# Altium PCB My_SOMA_25042022.PcbDoc (part 3 of 4)
Units mil, origin at the board's own origin, x right, y up, seen from the top; angles counter-clockwise.
Board outline 4842.73 x 3622.06 mil, 4 copper layers (Top Layer, Int1 (GND), Int2 (PWR), Bottom Layer), stack 53.912 mil thick; 293 components, 207 nets, 941 pads, 468 vias.
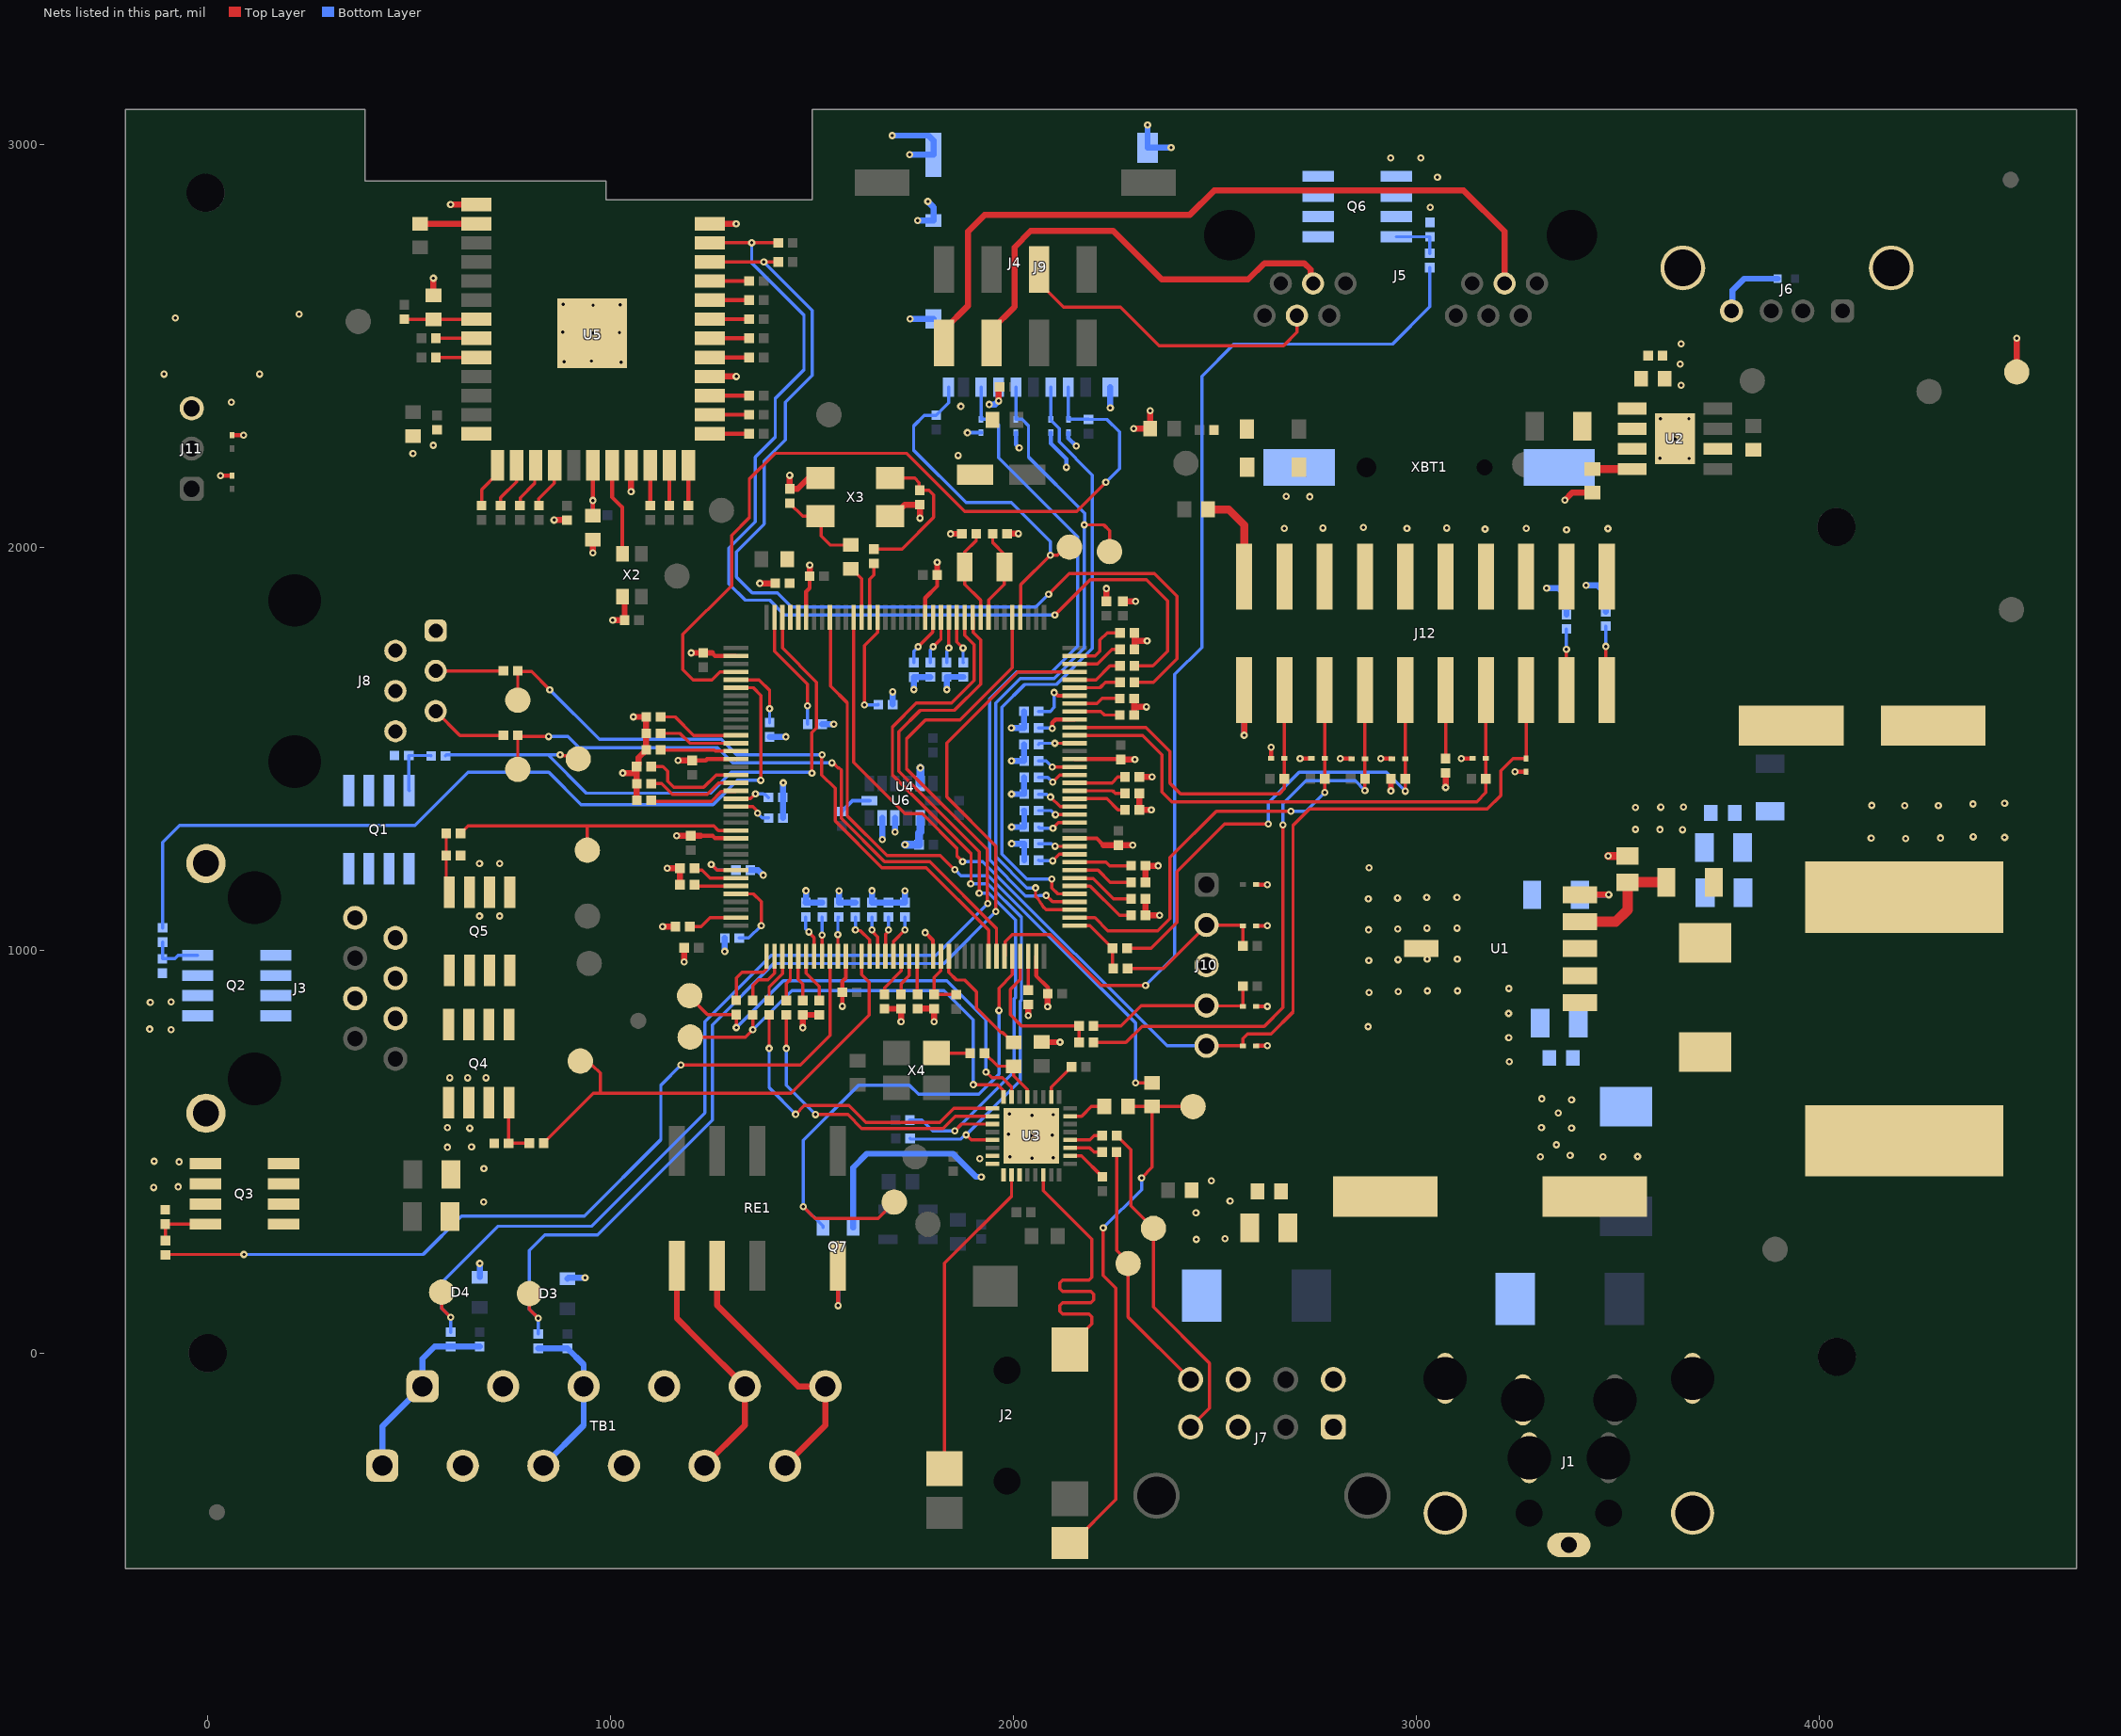
[diagram p5: the nets of this part, all layers, seen from the top]

## Via types
v1: diameter 18, hole 8, Top Layer to Bottom Layer, tented both sides, 468 vias

## Nets (pads, with @x,y where several pads share a name; then routed paths per layer and width w, separated by ;. In a path a pad name is that pad's centre, name@x,y a point inside that pad or via, vN(x,y) a via of type N, cw(c..) or ccw(c..) an arc to the next point about the centre after c; other vN are vias at no path point) (continued)
DGND: C8.1 C11.1 C13.1 C14.1 C15.1 C16.1 C18.1 C19.1 C21.2 C22.2 C23.1 C24.2 C25.1 C26.1 C27.1 C32.1 C33.1 C34.1 C35.1 C36.1 C37.1 C38.1 C40.2 C41.1 C42.1 C43.1 C44.1 C45.1 C46.1 C47.1 C48.1 C49.1 C50.1 C51.1 C52.1 C53.1 C55.1 C58.1 C59.2 C60.1 C61.2 D3.1 D4.1 D9.2 D10.2 D11.2 D12.2 D15.2 D16.2 D17.2 D18.2 D19.2 D20.2 D21.2 D22.2 D23.2 D24.2 D25.2 D26.2 D27.2 D28.2 J3.9 J3.10 J6.4 J6.5 J6.6 J7.5 J7.7 J8.1 J8.2 J8.4 J8.6 J9.6 J9.10 J9.11 J9.12 J9.13 J9.14 J10.3 J11.3 J12.4 J12.6 J12.8 J12.10 J12.12 J12.14 J12.16 J12.18 J12.20 Q1.1 Q1.2 Q1.3 Q2.1 Q2.2 Q2.3 Q3.1 Q3.2 Q3.3 Q4.1 Q4.2 Q4.3 Q5.1 Q5.2 Q5.3 Q6.1 Q6.2 Q6.3 R18.1 R19.1 R20.2 R21.2 R22.2 R23.2 R24.2 R39.2 R45.1 R46.2 R55.2 R56.2 R57.2 R66.1 R67.1 R68.2 R73.2 R75.2 R77.2 R79.2 R80.2 R81.2 R82.1 R83.2 R85.2 R86.2 R87.2 R88.2 R89.2 R90.2 R91.2 R92.2 R93.2 R95.2 R96.2 R97.2 R98.2 R99.2 R101.2 R102.2 R104.2 R105.2 R106.2 R107.2 R109.2 R110.2 R111.2 R112.1 R113.2 R115.2 R117.2 R118.1 R119.2 R121.2 R123.2 R124.1 R131.1 R132.1 R133.1 R134.1 TB1.3 TB1.4 TB1.7 TB1.8 TP10.1 U4.16 U4.31 U4.38 U4.51 U4.61 U4.83 U4.94 U4.107 U4.120 U4.130 U5.1 U5.13 U5.21 U5.28 U5.36 U5.37 U6.2 U6.4 U6.5 U6.12 X2.2 X3.2 X3.4 XBT1.2 | length 6552.9
  Top Layer w10: v1(31.68,2178.33) D22.2@60.47,2178.33 ; D23.2@60.47,2278.33 v1(89.26,2278.33) ; C43.1@1202.72,1471.25 1236.47,1471.25 1239.79,1474.57 U4.51@1311.24,1474.57 ; 1223.41,1284.18 1253.41,1284.18 1259.37,1278.22 1310.74,1278.22 U4.61@1311.24,1277.72 ; 1251.63,1738.19 1259.34,1730.48 U4.38@1311.24,1730.48 ; U4.31@1485.65,1826.15 1485.65,1890.22 1494.42,1898.99 C45.1@1494.42,1928.5 ; v1(1575.19,860.84) C41.1@1575.19,895.61 1575.19,922.67 1584.08,931.56 U4.83@1584.08,985.2 ; U4.16@1780.93,1826.15 1780.93,1874.26 1810.8,1904.13 C47.1@1810.8,1931.63 ; v1(1781.38,1043.93) 1800.61,1024.69 U4.94@1800.61,985.2 ; U4.107@2056.52,985.2 2056.52,937.04 2086.61,906.95 2086.61,893.31 C37.1@2085.35,892.06 ; U4.120@2152.19,1277.72 2206.75,1277.72 2223.39,1261.08 ; U4.130@2152.19,1474.57 2265.41,1474.57 C25.1@2266.69,1473.29 ; D19.2@2602.56,762.86 v1(2630.56,762.86) ; D18.2@2602.69,860.77 v1(2630.69,860.77) ; D17.2@2602.69,1060.77 v1(2630.69,1060.77) ; D16.2@2602.69,1162.86 v1(2630.69,1162.86) ; D28.2@2639.78,1475.95 v1(2639.78,1503.95) ; v1(2711.78,1475.95) D21.2@2739.78,1475.95 ; v1(2811.78,1475.81) D24.2@2839.78,1475.81 ; v1(2911.8,1475.81) D25.2@2939.8,1475.81 ; v1(3111.78,1475.95) D26.2@3139.78,1475.95 ; v1(3244.85,1442.88) D27.2@3272.85,1442.88
  Top Layer w15: R45.1@560.6,2625.33 v1(560.6,2668.28) ; v1(602.9,2850.78) U5.1@666.57,2850.78 ; v1(859.91,2067.8) C58.1@891.65,2067.8 ; v1(956.29,1986.35) 956.29,2019.51 R39.2@956.47,2019.69 ; v1(1005.64,1819.33) C32.1@1035.1,1819.33 1035.1,1872.15 X2.2@1029.29,1877.97 ; v1(1030.41,1440.04) 1063.38,1440.04 1065.27,1438.15 ; v1(1051.27,2138.43) U5.21@1051.27,2203.81 ; v1@1055.61,1579.23 v1(1056.95,1579.23) R67.1@1088.69,1579.23 ; R82.1@1065.36,1372.29 1065.27,1372.39 1065.27,1438.15 ; R66.1@1088.58,1538.35 1088.64,1538.41 1088.64,1579.18 R67.1@1088.69,1579.23 ; v1@1128.18,1058.94 v1(1129.51,1058.94) C22.2@1161.26,1058.94 ; v1@1139.53,1203.6 v1(1140.86,1203.6) R97.2@1172.61,1203.6 R96.2@1172.61,1162.6 ; v1(1164.4,1284.18) C42.1@1199.16,1284.18 1223.41,1284.18 ; v1(1167.95,1471.25) C43.1@1202.72,1471.25 ; v1(1183.14,971.13) C46.1@1183.14,1005.9 ; v1(1200.35,1738.19) C44.1@1230.39,1738.19 1251.63,1738.19 ; U5.28@1246.57,2424.17 v1(1312.2,2424.17) ; U5.36@1246.57,2803.38 v1(1311.96,2803.38) ; v1@1370.72,1911.01 C55.1@1409.03,1911.01 ; v1(1444.95,2178.76) C52.1@1444.95,2145.22 1464.73,2145.22 1491.4,2171.88 X3.2@1521,2171.88 ; v1@1477.28,806.59 v1(1477.28,807.92) R107.2@1477.28,839.67 R105.2@1518.28,839.67 ; C45.1@1494.42,1928.5 v1(1494.42,1956.35) ; R75.2@1680.11,854.79 R73.2@1721.11,854.79 v1(1721.11,823.04) v1@1721.11,821.71 ; X3.4@1694.23,2077.4 1702.1,2077.4 1730.74,2106.03 C51.1@1767.92,2106.03 v1(1767.92,2072.49) ; R21.2@1762.11,854.79 1762.48,855.15 1802.75,855.15 C23.1@1803.11,854.79 1802.83,854.51 1802.83,823.43 v1(1803.2,823.07) ; C47.1@1810.8,1931.63 v1(1810.8,1963.38) ; v1(1844.32,2033.7) C50.1@1872.16,2033.7 ; v1(1963.12,2363.38) 1963.12,2394.96 1965.99,2397.83 C35.1@1965.62,2398.2 ; C49.1@1984.48,2033.93 v1(2012.32,2033.93) ; C21.2@2036.84,865.62 2037.04,865.41 v1(2037.04,837.61) ; v1@2085.35,858.98 v1(2085.35,860.31) C37.1@2085.35,892.06 ; 2223.39,1261.08 C26.1@2260.57,1261.08 ; C48.1@2230.69,1866.34 v1(2230.69,1898.09) ; C26.1@2260.57,1260.96 2260.63,1261.02 v1(2296.42,1261.02) ; C25.1@2266.81,1473.23 v1(2301.57,1473.23) ; C53.1@2271.69,1866.34 v1(2303.43,1866.34) ; v1(2298.44,2294.95) C38.1@2339.69,2294.95 v1(2339.69,2339.65) ; R57.2@2299.66,1584 2299.66,1604.5 ; R56.2@2299.66,1625 2299.66,1604.5 ; R118.1@2300.35,1747.08 R118.1@2300.35,1747.08 2300.41,1767.58 ; R93.2@2300.46,1787.97 2300.41,1787.91 2300.41,1767.58 ; R89.2@2312.6,1389.19 2312.54,1389.13 2312.54,1348.37 R90.2@2312.48,1348.31 R90.2@2313.27,1347.53 ; R88.2@2312.72,1430.07 v1(2344.46,1430.07) v1@2345.8,1430.07 ; R90.2@2313.27,1348.31 2342.34,1348.31 v1(2342.41,1348.23) ; R123.2@2327.44,1086.52 2327.07,1086.88 2327.8,1087.61 R121.2@2327.8,1127.88 ; R123.2@2327.44,1086.88 R123.2@2327.8,1086.88 2362.76,1086.88 v1(2363.12,1086.52) ; R119.2@2327.8,1168.88 R117.2@2327.8,1209.88 v1(2359.55,1209.88) v1@2360.88,1209.88 ; v1(2330,1604) 2329.5,1604.5 2299.66,1604.5 ; v1(2332,1768) 2331.58,1767.58 2300.41,1767.58 ; v1(2937.22,1395.68) R134.1@2937.22,1425.81 ; v1(3072.85,1403.99) R131.1@3072.85,1440.29 ; v1(3368.96,2117.64) 3386.99,2135.66 C15.1@3437.28,2135.66 ; TP10.1@4490.64,2435.54 v1(4490.64,2519.53) ; 1065.27,1438.15 1065.27,1456.24 R18.1@1065.17,1456.33 1069.67,1460.83 1069.67,1478.21 R20.2@1088.69,1497.23 R67.1@1088.69,1579.23
  Bottom Layer w10: v1(1885.84,2284.81) D9.2@1919.82,2284.82 ; D10.2@2006.43,2284.82 2006.43,2255.04 v1(2014.31,2247.16) ; D11.2@2093.05,2284.82 2093.05,2258.25 2131.73,2219.57 v1(2131.73,2198.65) ; D12.2@2136.35,2284.82 2136.35,2271.22 v1(2155.99,2251.59)
  Bottom Layer w15: D4.1@675.44,188.84 v1(675.44,222.76) ; D3.1@893.12,185.21 895.36,187.45 v1(936.97,187.45) ; v1(1283.71,997.3) R98.2@1283.71,1030.26 ; R124.1@1346.9,1198.98 1366.44,1198.98 v1(1378.83,1186.59) v1@1378.02,1186.59 ; R95.2@1395,1529.34 1395.33,1529.67 1434.67,1529.67 v1(1435,1530) ; R83.2@1427.8,1379.24 R83.2@1427.86,1379.17 ; 1427.86,1348.35 R83.2@1427.86,1379.17 ; R81.2@1428.34,1328.34 1428.07,1328.61 1428.07,1378.97 R83.2@1427.86,1379.17 ; v1(1428.87,1415.73) 1428.87,1414.92 1427.86,1413.91 R83.2@1427.86,1379.17 ; R104.2@1484.76,1118.39 R102.2@1525.76,1118.39 ; R104.2@1485,1118.63 v1(1485,1147.94) ; R106.2@1525.28,1561.25 1525.34,1561.19 v1(1553.93,1561.19) ; R101.2@1566.76,1118.39 R99.2@1607.76,1118.39 ; R101.2@1567,1118.63 v1(1567,1147.54) ; R80.2@1648.76,1118.39 R79.2@1689.76,1118.39 R77.2@1730.76,1118.39 ; R80.2@1649,1118.63 v1(1649,1147.97) ; v1(1674.47,1275.08) U6.5@1674.47,1328.58 ; v1(1699.45,3022.28) 1789.54,3022.28 1801.73,3010.09 J9.12@1801.73,2974.66 v1(1742.27,2974.66) ; R22.2@1700.26,1609.84 v1(1700.26,1641.44) ; U6.4@1705.97,1328.58 1705.97,1293.57 v1(1706.17,1293.37) ; R77.2@1731,1118.63 v1(1731,1147.69) ; v1(1743.41,2567.18) J9.10@1801.71,2567.18 ; v1(1752.74,1646.97) R23.2@1752.74,1678.31 R23.2@1752.74,1678.31 1793.57,1678.36 R24.2@1793.62,1678.42 ; v1(1762.23,2811.27) J9.11@1801.71,2811.27 1801.71,2844.55 v1(1787.62,2858.64) ; v1(1834.51,1647.06) R46.2@1834.51,1678.54 R55.2@1875.51,1678.54 ; v1(1939.84,2355) 1954.74,2355 v1(1963.12,2363.38) J9.6@1963.12,2397.89 ; v1(1995.35,1552.11) R68.2@2026.7,1552.1 ; v1(1995.46,1387.61) R91.2@2026.79,1387.61 ; v1(1995.46,1470.25) R86.2@2026.82,1470.22 ; v1(1995.69,1264.84) R113.2@2027.03,1264.84 ; v1(1995.69,1305.84) R111.2@2027.03,1305.84 ; R85.2@2026.7,1511.1 2026.76,1511.04 R86.2@2026.82,1470.22 ; R68.2@2026.7,1552.1 R92.2@2026.7,1593.1 ; R91.2@2026.82,1387.58 2026.88,1387.63 2026.88,1429.27 R87.2@2026.94,1429.33 ; R109.2@2026.94,1346.69 2027,1346.63 R111.2@2027,1305.87 ; R115.2@2027.05,1223.81 R113.2@2027.05,1264.81 ; v1(2240.68,2346.14) J9.14@2240.68,2397.89 ; v1(2333.21,3048.34) 2333.21,2992.39 v1(2391.52,2992.38) ; v1(3323.77,1898.75) 3352.3,1898.74 3372.97,1878.07 R132.1@3372.97,1833.24 ; v1@3421.63,1905.99 3450.16,1905.99 3470.83,1885.32 R133.1@3470.83,1840.49 ; J6.4@3782.57,2586.96 3785.09,2589.48 3785.09,2637.96 3814.23,2667.1 D20.2@3896.57,2667.1
  Bottom Layer w20: v1(1731.32,1262.28) C40.2@1765.52,1262.28 ; C40.2@1765.76,1262.04 1765.76,1264 1765.81,1264.04 1765.81,1290.63 1769.4,1294.22 1769.4,1328.15 U6.2@1768.96,1328.58 ; U6.12@1768.96,1414.11 v1(1768.97,1452.87)
  other v1: 2453.93,282.31 2525.11,284.13 2453.36,348.64 685,375 2537.82,377.7 -134.07,411.01 -73.2,412.99 2491.21,427.79 685.7,458.28 -70.85,474.96 -132.81,476.4 595.18,511.17 655.25,511.72 650.7,558.28 594.93,559.93 600.7,683.28 645.7,683.28 690.7,683.28 -90.66,803.07 -143.84,804.49 -142.55,870.96 -90.38,871.54 675,1085 725,1085 675,1215 725,1215 3421.63,1906 1370.61,1910.91 3372.99,2043.51 3170.83,2045.5 2672.79,2047.11 2976.87,2046.88 3272.93,2046.89 3475.87,2046.7 2768.71,2047.92 3075.99,2048.04 2869.12,2049.77 1863.01,2227.9 509.44,2232.72 560.02,2253.43 1869.52,2350.33 58.88,2360.04 3657.66,2402.49 -108.52,2430.01 129.3,2430.01 3655.52,2454.69 1026.24,2460.11 885.04,2461.1 952.54,2462.59 3657.34,2505.28 954.66,2531.69 1022.16,2533.17 880.95,2534.17 -80.17,2569.51 227.17,2578.81 956.78,2600.78 1024.28,2602.27 883.07,2603.26 3034.59,2844.21 3052.68,2918.9 2936.88,2967.08 3011.43,2967.08
FAN_ON: R108.1 U4.103 | length 2749.9
  Top Layer w8: U4.103@1977.78,985.2 1979.22,986.65 1979.22,1020.94 1997.32,1039.04 2091.55,1039.04 2218.11,912.48 v1(2328.35,912.48)
  Bottom Layer w8: v1(2328.35,912.48) 2400.78,984.9 2400.78,1684.87 2467.87,1751.96 2467.87,2424.77 2547.81,2504.71 2941.31,2504.71 3033.75,2597.15 R108.1@3033.75,2694.32
GND: C1.- C2.2 C3.1 C4.1 C5.- C6.1 C7.2 C28.1 C54.2 C61.1 D2.2 D8.2 J1.1 J1.3 J1.5 J1.6 J1.7 J1.8 J1.9 J7.1 J7.3 Q7.2 R2.1 R3.1 R110.1 U1.3 U1.6 U2.2 U2.9 U3.1 U3.3 U3.31 U3.32 U3.33 | length 600.3
  Top Layer w15: C54.2@2070.14,772.01 v1(2115.85,772.01)
  Top Layer w20: v1@3476.11,1233.97 R3.1@3524.87,1233.97
  Bottom Layer w15: Q7.2@1602.13,311.5 1602.13,460.74 1636.44,495.05 1850.18,495.05 1907.48,437.75 1919.93,437.75 v1(1920.5,437.17)
  other v1: 1916.55,482.62 2046.59,483.77 2098.97,485.15 1990.92,487.36 2043.95,539.75 2096.34,541.13 1988.29,543.34 2046.1,590.59 2098.48,591.97 1990.44,594.18 3230.77,723.14 3229.55,783 2880.6,810.42 3229.35,843.27 2882.93,895.44 2955.31,897.47 3027.79,899.27 3102.65,899.27 3229.96,905.05 2882.27,974.52 2954.65,976.55 3027.13,978.35 3102,978.35 2881.93,1051.08 2954.31,1053.11 3026.78,1054.91 3101.65,1054.91 2881.18,1127.55 2953.57,1129.58 3026.04,1131.37 3100.91,1131.37 2882.68,1204.76 3476.18,1233.97 3660.84,1298.98 3543.91,1300.03 3605.16,1299.83 3544.3,1354.53 3606.9,1355.05 3663.34,1355.82 3604.82,2221.06 3677.84,2220.74 3642.32,2269.62 3606.42,2319.06 3676.88,2319.06
HP_SPKR_SCL: R15.1 U3.29 U4.11 | length 1859.6
  Top Layer w8: U4.11@1879.35,1826.15 1879.35,1782.41 1902.86,1758.9 1902.86,1669.69 1846.75,1613.58 1759.04,1613.58 1699.92,1554.46 1699.92,1435.07 1895,1240 1895,1166.44 v1(1894,1165.43) ; v1(1882.62,541.81) 1895.26,529.17 U3.29@1948.23,529.17
  Bottom Layer w8: R15.1@1743.52,533.13 1745.33,531.31 1869.42,531.31 1879.91,541.81 v1(1882.62,541.81) 2017.04,676.23 2017.04,873.58 2020,876.53 2020,1081.68 1936.25,1165.43 v1(1894,1165.43)
HP_SPKR_SDA: R14.1 U3.27 U4.10 | length 1836.1
  Top Layer w8: v1(1854.72,551.93) 1871.39,568.6 1948.18,568.6 U3.27@1948.23,568.54 ; U4.10@1899.04,1826.15 1900.54,1824.65 1900.54,1788.89 1918.72,1770.71 1918.72,1660.93 1853.44,1595.65 1768.88,1595.65 1715.61,1542.38 1715.61,1444.39 1915.54,1244.46 1915.54,1141.95 v1(1915,1141.4)
  Bottom Layer w8: R14.1@1742.91,578.84 1772.46,578.84 1799.37,551.93 v1(1854.72,551.93) 2002.04,699.25 2002.04,879.79 2005,882.75 2005,1075.47 1939.07,1141.4 v1(1915,1141.4)
I2S_CLK: R74.1 TP7.1 U3.24 | length 1076
  Top Layer w8: TP7.1@1197.82,784.55 1334.5,784.55 v1(1352.96,803.01) R74.1@1352.96,839.9 ; v1(1900.68,666.56) 1901.31,665.94 1961.27,665.94 1975.79,651.41 U3.24@1975.79,635.47
  Bottom Layer w8: v1(1352.96,803.01) 1450.23,900.28 1827.72,900.28 1900.68,827.32 v1(1900.68,666.56)
I2S_LRCLK: R72.1 TP6.1 U3.23 | length 1111
  Top Layer w8: TP6.1@1196.43,887.11 1196.43,884.26 1240.67,840.02 R72.1@1312.08,840.02 v1(1312.08,808.08) ; v1(1932.26,698.04) 1946.53,683.77 1972.27,683.77 1995.48,660.57 U3.23@1995.48,635.47
  Bottom Layer w8: v1(1312.08,808.08) 1428.83,924.83 1835.17,924.83 1932.26,827.74 v1(1932.26,698.04)
I2S_MCLK: R27.2 U4.96 | length 296.5
  Top Layer w8: U4.96@1839.98,985.2 1839.98,945.02 1858.81,926.19 1878.81,926.19 1908,897 1908,857 1968.94,796.06 1973.22,796.06 1985.28,784 1998.28,771 R27.2@2000.78,771
I2S_SDI: R76.2 U3.25 | length 804
  Top Layer w8: v1(1393.85,756.64) R76.2@1393.85,839.78 ; v1(1459.34,593.02) 1481.15,614.83 1591.36,614.83 1633.61,572.58 1817.39,572.58 1852.72,607.91 U3.25@1948.23,607.91
  Bottom Layer w8: v1(1393.85,756.64) 1393.85,658.52 v1(1459.34,593.02)
I2S_SDO: R78.1 U3.26 | length 744
  Top Layer w8: v1(1436.28,756.63) R78.1@1436.28,839.78 ; v1(1508.95,592.13) 1589.13,592.13 1623.68,557.58 1825.22,557.58 1855.86,588.23 U3.26@1948.23,588.23
  Bottom Layer w8: v1(1436.28,756.63) 1436.28,664.8 v1(1508.95,592.13)
J_TCK: D25.1 J12.9 R114.1 R134.2 | length 1246.9
  Top Layer w8: R114.1@2282.04,1005.04 2341.94,1005.04 2406.05,1069.15 2406.05,1195.1 2524.36,1313.41 v1(2633.18,1313.41) ; v1(2972.87,1394.87) R134.2@2972.87,1425.81 D25.1@2972.87,1475.81 J12.9@2972.85,1645.95
  Bottom Layer w8: v1(2633.18,1313.41) 2633.18,1365.77 2709.45,1442.04 2925.7,1442.04 v1(2972.87,1394.87)
J_TDI: D21.1 J12.5 R126.1 U4.110 | length 1119.2
  Top Layer w8: U4.110@2152.19,1080.87 2202.38,1080.87 2234.79,1048.46 2358.66,1048.46 2389.14,1078.94 2389.14,1230.15 2503.77,1344.78 v1(2688.94,1344.78) ; v1(2772.85,1391.53) R126.1@2772.85,1425.95 D21.1@2772.85,1475.95 J12.5@2772.85,1645.95
  Bottom Layer w8: v1(2688.94,1344.78) 2726.1,1344.78 v1(2772.85,1391.53)
J_TDO: D26.1 J12.13 R128.1 U4.133 | length 1407.2
  Top Layer w8: U4.133@2152.19,1533.63 2320.75,1533.63 2368.87,1485.51 2368.87,1392.9 2393.08,1368.68 3150.14,1368.68 3172.85,1391.4 R128.1@3172.85,1425.95 D26.1@3172.85,1475.95 J12.13@3172.85,1645.95
J_TMS: D24.1 J12.7 R58.1 R127.1 | length 1499.1
  Top Layer w8: R58.1@2198.7,771.32 2279.38,771.32 2319.54,811.48 2622.84,811.48 2668.85,857.48 v1(2668.85,1311.42) ; v1(2872.85,1396.65) R127.1@2872.85,1425.81 D24.1@2872.85,1475.81 J12.7@2872.85,1645.95
  Bottom Layer w8: v1(2668.85,1311.42) 2668.85,1363.77 2725.88,1420.8 2848.69,1420.8 v1(2872.85,1396.65)
J_TRST: D28.1 J12.3 R116.1 U4.134 | length 885.5
  Top Layer w8: U4.134@2152.19,1553.31 2329.07,1553.31 2388.74,1493.65 2388.74,1414.54 2414.86,1388.42 2660.33,1388.42 2672.85,1400.94 R116.1@2672.85,1425.95 D28.1@2672.85,1475.95 J12.3@2672.85,1645.95
LCD_UART_RX: R17.2 TP16.1 U4.102 | length 1610.9
  Top Layer w8: TP16.1@769.85,1449.03 R17.2@769.85,1533.61 773.15,1530.31 v1(846.26,1530.31) ; v1(1550,1465) 1552.71,1465 1564.71,1452.99 1567.01,1452.99 1572.66,1447.34 1572.66,1327.3 1679.97,1220 1792.63,1220 1958.09,1054.53 U4.102@1958.09,985.2
  Bottom Layer w8: v1(846.26,1530.31) 894.69,1530.31 922.42,1502.58 1265.63,1502.58 1303.21,1465 v1(1550,1465)
LCD_UART_RX-PA10: J8.5 R17.1 | length 193
  Top Layer w8: J8.5@566.09,1593.62 626.09,1533.62 684.2,1533.62 R17.1@734.19,1533.61
LCD_UART_TX: R16.2 TP15.1 U4.101 | length 1650.2
  Top Layer w8: TP15.1@769.86,1620.73 R16.2@769.86,1693.62 771.69,1691.79 804.09,1691.79 v1(849.31,1646.57) ; v1(1525,1485) 1524.38,1484.38 1524.38,1435.1 1557.66,1401.82 1557.66,1321.09 1673.75,1205 1783.38,1205 1938.41,1049.97 U4.101@1938.41,985.2
  Bottom Layer w8: v1(849.31,1646.57) 972.51,1523.37 1274.73,1523.37 1313.09,1485 v1(1525,1485)
LCD_UART_TX-PA9: J8.3 R16.1 | length 168.1
  Top Layer w8: J8.3@566.09,1693.62 684.2,1693.62 R16.1@734.2,1693.62
LED_B: R8.1 TP18.1 U4.60 | length 756.3
  Top Layer w8: R8.1@627.83,1290 646.28,1308.45 943.92,1308.45 ; TP18.1@942.47,1248.39 942.47,1307.01 943.92,1308.45 ; U4.60@1311.24,1297.41 1267.59,1297.41 1256.54,1308.45 943.92,1308.45
LED_G: R7.1 TP19.1 U4.85 | length 1206.9
  Top Layer w8: R7.1@833.9,521.14 957.75,645 973.61,645 ; TP19.1@925,725 935.52,714.48 955.52,714.48 975,695 975,646.39 973.61,645 ; U4.85@1623.45,985.2 1623.45,939.32 1642.19,920.58 1642.19,839.06 1448.14,645 973.61,645
LED_R: R4.1 TP17.1 U4.34 | length 1477.8
  Top Layer w8: v1(875,1485) 876.91,1483.09 911.91,1483.09 TP17.1@920,1475 ; U4.34@1426.6,1826.15 1426.6,1750.49 1511.47,1665.62 1511.47,1551.68 1499.45,1539.65 1499.45,1440.55 v1(1500,1440)
  Bottom Layer w8: R4.1@590.42,1482.48 592.94,1485 845,1485 ; v1(875,1485) 845,1485 ; v1(1500,1440) 1498.23,1441.77 1299.77,1441.77 1248,1390 940,1390 845,1485
LED_W_2400: R5.1 U4.42 | length 2108
  Top Layer w8: U4.42@1311.24,1651.74 1354.17,1651.74 1373.07,1632.84 1373.07,1421.93 v1(1372.9,1421.77)
  Bottom Layer w8: R5.1@-112.01,1055.64 -112.01,1267.5 -69.51,1310 515,1310 647,1442 847,1442 927.34,1361.66 1254.66,1361.66 1314.77,1421.77 v1(1372.9,1421.77)
LED_W_6500: R6.1 U4.81 | length 2151.1
  Top Layer w8: R6.1@-104.91,243.56 -103.47,245 v1(90,245) ; v1(1175,715) 1175.08,715.08 1471.24,715.08 1544.71,788.54 U4.81@1544.71,985.2
  Bottom Layer w8: v1(90,245) 535,245 630,340 935,340 1125,530 1125,665 v1(1175,715)
LID_UPDN: D4.3 R13.2 TP13.1 U4.5 | length 3034.8
  Top Layer w8: TP13.1@580.95,151.44 580.95,111.47 v1(603.31,89.11) ; v1(1936.37,1115.72) 1935,1117.08 1935,1250 1735,1450 1735,1525.08 1781.63,1571.71 1867.35,1571.71 1997.46,1701.83 U4.5@1997.46,1826.15